# Altium PCB Railgun Control Board PCB Mk2.0.PcbDoc (part 1 of 2) (continued)
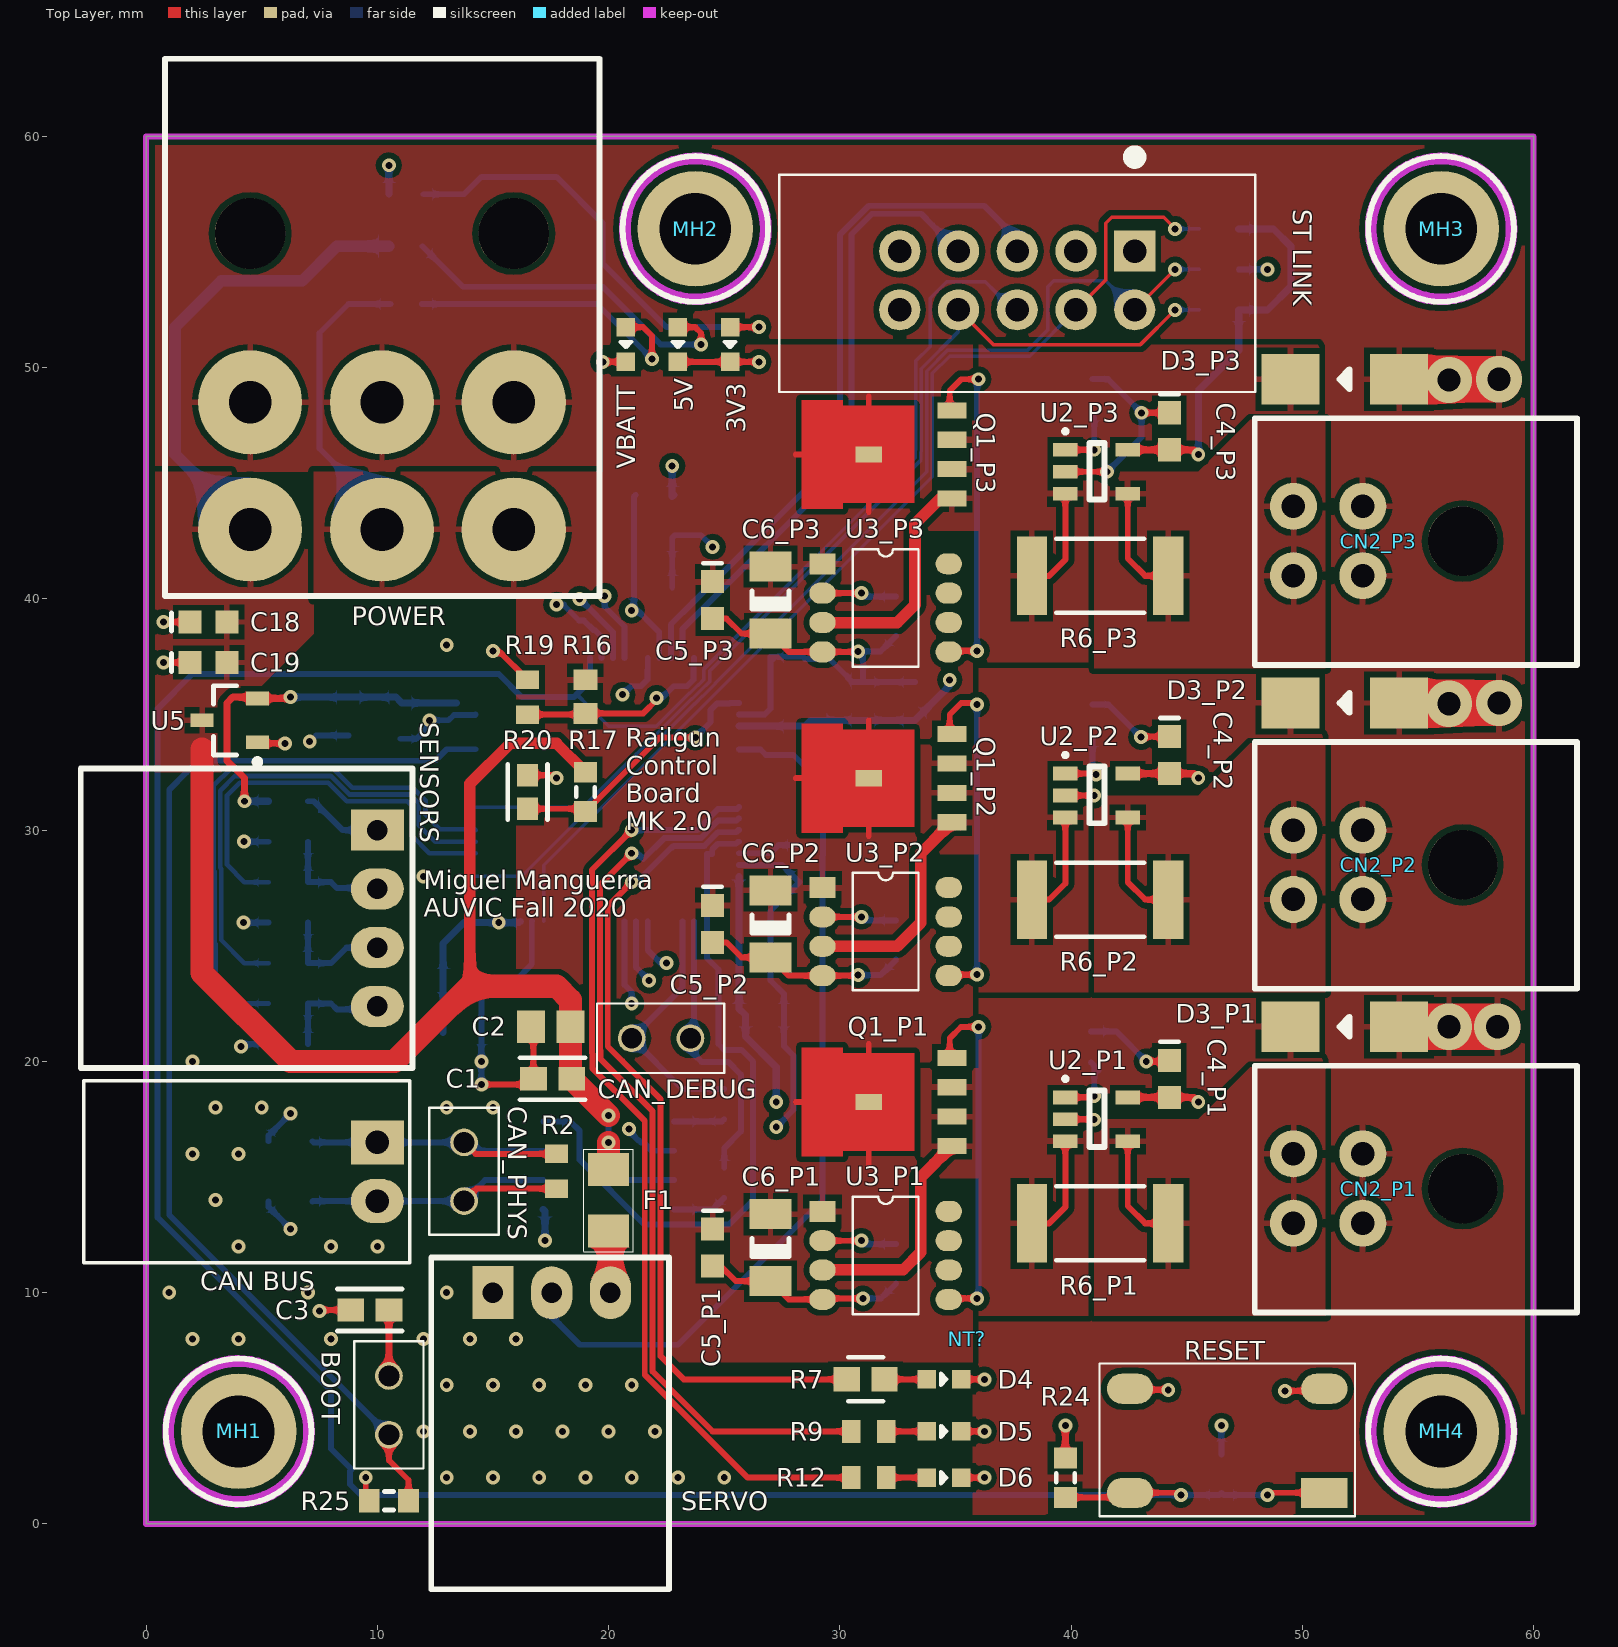
[diagram p0: Top Layer view]
## Components (designator, comment, footprint, x,y, rotation, side; value= is the part's Value field where it differs from the comment) (continued)
BOOT "1x2 Male Header" "2X1 Males Header" 10.5,6.397 r270 top (schematic designator JP3)
C1 "CL10B104JB8NNNC" FP-CL10-0_1-IPC_A 17.577,19.25 r180 top
C2 "CL21B105KBFNNNG" "0803 CAP" 17.5,21.5 r180 top
C3 "CL10B104JB8NNNC" FP-CL10-0_1-IPC_A 9.673,9.25 r180 top
C4_P1 "0.1uF, 50V, 10%, X7R, 1608" "CAPC1608N(0603\")" 44.25,19.247 r270 top (schematic designator C4)
C4_P2 "0.1uF, 50V, 10%, X7R, 1608" "CAPC1608N(0603\")" 44.25,33.247 r270 top (schematic designator C4)
C4_P3 "0.1uF, 50V, 10%, X7R, 1608" "CAPC1608N(0603\")" 44.25,47.247 r270 top (schematic designator C4)
C5_P1 "0.1uF, 50V, 10%, X7R, 1608" "CAPC1608N(0603\")" 24.5,11.947 r270 top (schematic designator C5)
C5_P2 "0.1uF, 50V, 10%, X7R, 1608" "CAPC1608N(0603\")" 24.5,25.947 r270 top (schematic designator C5)
C5_P3 "0.1uF, 50V, 10%, X7R, 1608" "CAPC1608N(0603\")" 24.5,39.947 r270 top (schematic designator C5)
C6_P1 "10uF 50V 1206 SMD, Ceramic" "CAPC3216N(1206\")" 27,11.947 r270 top value=10µF (schematic designator C6)
C6_P2 "10uF 50V 1206 SMD, Ceramic" "CAPC3216N(1206\")" 27,25.947 r270 top value=10µF (schematic designator C6)
C6_P3 "10uF 50V 1206 SMD, Ceramic" "CAPC3216N(1206\")" 27,39.947 r270 top value=10µF (schematic designator C6)
C7 "CL21B105KBFNNNG" "0803 CAP" 22,42.75 r0 bottom
C8 "CL10B104JB8NNNC" FP-CL10-0_1-IPC_A 21.923,40.5 r0 bottom
C9 "2.2uF, 50V, 0603 SMD, X5R, Ceramic" "CAPC1608N(0603\")" 28.25,28.55 r270 bottom value=2.2µF
C10 "CL10B104JB8NNNC" FP-CL10-0_1-IPC_A 13.673,23.5 r0 bottom
C11 "CL10B104JB8NNNC" FP-CL10-0_1-IPC_A 13.673,21.25 r0 bottom
C12 "CL10B104JB8NNNC" FP-CL10-0_1-IPC_A 26.75,22 r0 bottom
C13 "CL10B104JB8NNNC" FP-CL10-0_1-IPC_A 33.25,35.577 r90 bottom
C14 "CL10B104JB8NNNC" FP-CL10-0_1-IPC_A 31,35.577 r90 bottom
C15 "CL10B104JB8NNNC" FP-CL10-0_1-IPC_A 8.75,34.923 r270 bottom
C16 "CL31B106KBHNNNE" CAPC3216X180X50ML20T30 28.5,35.95 r90 bottom
C17 "CL10B104JB8NNNC" FP-CL10-0_1-IPC_A 46.5,2.173 r90 bottom
C18 "0.1uF, 50V, 10%, X7R, 1608" "CAPC1608N(0603\")" 2.7,39 r0 top
C19 "1uF 50V 0603 SMD, Ceramic" "CAPC1608N(0603\")" 2.7,37.25 r0 top value=1µF
C20 "1uF 50V 0603 SMD, Ceramic" "CAPC1608N(0603\")" 11,34.75 r90 bottom value=1µF
"CAN BUS" "1x2 Shrouded Right Angle" "2X1 Female Header" 10,16.5 r0 top (schematic designator CN1)
CAN_DEBUG "1x2 Male Header" "2X1 Males Header" 21,21 r0 top (schematic designator JP1)
CAN_PHYS "1x2 Male Header" "2X1 Males Header" 13.75,16.5 r270 top (schematic designator JP2)
CN2_P1 "Header, Female, 2x2, RIght Angle, Pitch: 0.118\"  (3.00mm), THT" "2x2 Pitch 118mil connector" 52.613,16 r270 top (schematic designator CN2)
CN2_P2 "Header, Female, 2x2, RIght Angle, Pitch: 0.118\"  (3.00mm), THT" "2x2 Pitch 118mil connector" 52.613,30 r270 top (schematic designator CN2)
CN2_P3 "Header, Female, 2x2, RIght Angle, Pitch: 0.118\"  (3.00mm), THT" "2x2 Pitch 118mil connector" 52.613,44 r270 top (schematic designator CN2)
D1 "PESD36VS2UT,215" SOT95P245X110-3N 6.25,17.75 r90 bottom
D2 "PESD36VS2UT,215" SOT95P245X110-3N 6.25,12.75 r270 bottom
D3_P1 "TSSA5U50E3GCT-ND" DO-214AC 51.833,21.5 r180 top (schematic designator D3)
D3_P2 "TSSA5U50E3GCT-ND" DO-214AC 51.833,35.5 r180 top (schematic designator D3)
D3_P3 "TSSA5U50E3GCT-ND" DO-214AC 51.833,49.5 r180 top (schematic designator D3)
D4 "LSQ976-NR-1" FP-LB_Q39E-MFG 34.5,6.25 r180 top
D5 "LBQ39E-N1OO-35-1" FP-LB_Q39E-MFG 34.5,4 r180 top
D6 "LT Q39G-Q1OO-25-1" FP-LB_Q39E-MFG 34.5,2 r180 top
F1 "SMD Fuse, 2A, 63V," "1206 SMD" 20,14 r90 top
FB1 "BLM18AG601SN1D" MURA-BLM18-F-H1-CHIP-2_V 22,44.5 r180 bottom
MH1 "Mount_Hole_3mm" Mount-Hole_3mm 4,4 r0 top locked
MH2 "Mount_Hole_3mm" Mount-Hole_3mm 23.75,56 r0 top locked
MH3 "Mount_Hole_3mm" Mount-Hole_3mm 56,56 r0 top locked
MH4 "Mount_Hole_3mm" Mount-Hole_3mm 56,4 r0 top locked
NT? "Net Tie, 20mil" NETTIE_20mil 35,8 r180 top net-tie
POWER "76825-0006" 76825-0006-Footprint-1 4.5,48.5 r0 top (schematic designator CN6)
Q1_P1 "MOSFET N-Channel, 40V, 100A, 272W" LFPAK-PowerSO8 34.85,16.342 r90 top (schematic designator Q1)
Q1_P2 "MOSFET N-Channel, 40V, 100A, 272W" LFPAK-PowerSO8 34.85,30.342 r90 top (schematic designator Q1)
Q1_P3 "MOSFET N-Channel, 40V, 100A, 272W" LFPAK-PowerSO8 34.85,44.342 r90 top (schematic designator Q1)
R1 "RC0603FR-0733RL" RESC1608X55X25LL10T15 25,18.15 r270 bottom
R2 "RC0603FR-07120RL" RESC1608X55X25ML10T15 17.75,15.25 r270 top
R3 "RC0603FR-0733RL" RESC1608X55X25LL10T15 25,14.75 r270 bottom
R4_P1 "32.4kR, 1%, 0603, 1/10W" RESC1609X50X30ML10T20 40.866,20.625 r270 bottom (schematic designator R4)
R4_P2 "32.4kR, 1%, 0603, 1/10W" RESC1609X50X30ML10T20 40.933,34.753 r270 bottom (schematic designator R4)
R4_P3 "32.4kR, 1%, 0603, 1/10W" RESC1609X50X30ML10T20 40.933,48.828 r270 bottom (schematic designator R4)
R5_P1 "10kR, 1%, 1/10W, 0603 SMD" "RESC1608N(0603\")" 32.433,11.25 r270 bottom value=10k (schematic designator R5)
R5_P2 "10kR, 1%, 1/10W, 0603 SMD" "RESC1608N(0603\")" 32.433,25.25 r270 bottom value=10k (schematic designator R5)
R5_P3 "10kR, 1%, 1/10W, 0603 SMD" "RESC1608N(0603\")" 32.433,39.25 r270 bottom value=10k (schematic designator R5)
R6_P1 "0R02, 1%, 2W, 2512 SMD" "RESC6332N(2512\")" 41.25,12.997 r180 top value=0.02 (schematic designator R6)
R6_P2 "0R02, 1%, 2W, 2512 SMD" "RESC6332N(2512\")" 41.25,26.997 r180 top value=0.02 (schematic designator R6)
R6_P3 "0R02, 1%, 2W, 2512 SMD" "RESC6332N(2512\")" 41.25,40.997 r180 top value=0.02 (schematic designator R6)
R7 "CRCW0603330RFKEA" FP-CRCW0603-e3-IPC_A 31.115,6.25 r0 top
R8 "1kR, 1%, 1/10W , 0603, SMD" "RESC1608N(0603\")" 6.15,31.25 r0 bottom value=1k
R9 "RC0603FR-07110RL" RESC1608X55X25ML10T15 31.25,4 r0 top
R10 "10kR, 1%, 1/10W, 0603 SMD" "RESC1608N(0603\")" 6.15,29.5 r180 bottom value=10k
R11 "10kR, 1%, 1/10W, 0603 SMD" "RESC1608N(0603\")" 6.15,26 r180 bottom value=10k
R12 "RC0603FR-07110RL" RESC1608X55X25ML10T15 31.25,2 r0 top
R13 "10kR, 1%, 1/10W, 0603 SMD" "RESC1608N(0603\")" 6.15,20.75 r180 bottom value=10k
R14 "10kR, 1%, 1/10W, 0603 SMD" "RESC1608N(0603\")" 46.4,54.25 r180 bottom value=10k
R15 "10kR, 1%, 1/10W, 0603 SMD" "RESC1608N(0603\")" 46.4,56 r180 bottom value=10k
R16 "ERJ-3EKF8252V" RESC1608X55X30ML15T15 19,35.775 r270 top
R17 "16kR, 1%, 1/10W, 0603 SMD" "RESC1608N(0603\")" 19,31.65 r90 top value=16k
R18 "10kR, 1%, 1/10W, 0603 SMD" "RESC1608N(0603\")" 46.4,52.5 r180 bottom value=10k
R19 "RC0603FR-0710KL" RESC1608X55X25ML10T15 16.5,35.75 r90 top
R20 "27kR, 1%, 1/10W, 0603" FP-CRGCQ0603-IPC_B 16.5,31.65 r270 top
R21 "1kR, 1%, 1/10W , 0603, SMD" "RESC1608N(0603\")" 6.15,27.75 r0 bottom value=1k
R22 "1kR, 1%, 1/10W , 0603, SMD" "RESC1608N(0603\")" 6.15,24.25 r0 bottom value=1k
R23 "1kR, 1%, 1/10W , 0603, SMD" "RESC1608N(0603\")" 6.15,22.5 r0 bottom value=1k
R24 "10kR, 1%, 1/10W, 0603 SMD" "RESC1608N(0603\")" 39.75,1.996 r270 top value=10k
R25 "10kR, 1%, 1/10W, 0603 SMD" "RESC1608N(0603\")" 10.5,1 r180 top value=10k
R26 "CRCW06036K34FKEA" RESC1609X50X30ML10T20 11.25,52.75 r0 bottom
R27 "ERJ-3EKF5360V" RESC1608X55X30ML15T15 11.225,55.25 r0 bottom
R28 "RC0603FR-07110RL" RESC1608X55X25ML10T15 11.25,57.5 r0 bottom
RESET "PTS645SL43SMTR92LFS" 4-SPST-NO 50.75,1.346 r180 top (schematic designator SW1)
SENSORS "Header, Male, 1x4, RA, Pitch 0.1\" (2.54mm)" "HEADER, MALE, SHROUDED, 4x1, PITCH 0.1\" (2.54mm), RA" 10,30 r0 top (schematic designator CN5)
SERVO "Header, Male, 1x3, RA, Pitch (2.54mm) 0.1\"" 5-103635-2-Footprint-1 15,10 r90 top (schematic designator CN4)
"ST LINK" "ST Debug Header 10-pin THT" "10-pin shrouded header THT" 42.75,55.04 r180 top locked (schematic designator CN3)
U1 "CAN Transceiver" 8-SOIC 20,15.5 r180 bottom
U2_P1 "INA168, Current Sensor, High-Side, Analog" SOT23-5 41.1,17.497 r270 top (schematic designator U2)
U2_P2 "INA168, Current Sensor, High-Side, Analog" SOT23-5 41.1,31.497 r270 top (schematic designator U2)
U2_P3 "INA168, Current Sensor, High-Side, Analog" SOT23-5 41.1,45.497 r270 top (schematic designator U2)
U3_P1 "MIC5014YM-TR" "SOC 8" 29.25,13.517 r0 top (schematic designator U3)
U3_P2 "MIC5014YM-TR" "SOC 8" 29.25,27.517 r0 top (schematic designator U3)
U3_P3 "MIC5014YM-TR" "SOC 8" 29.25,41.517 r0 top (schematic designator U3)
U4 "STM32F413RGT6" FP-LQFP64-5W-IPC_A 19.941,31.75 r270 bottom
U5 "3.3V 250mA Linear Reg LDO" SOT95P245X110-3N 3.616,34.75 r180 top
VBATT "LT Q39G-Q1OO-25-1" FP-LB_Q39E-MFG 20.75,51 r90 top (schematic designator D6)

## Footprints (in the part's own frame and the unit in brackets; to place one, negate y for a bottom-side part, rotate by r counter-clockwise, add the part's x,y. Pads: shape width x height; smd on the part's side, far side on the other; paste and mask are expansions set on the pad)
"2X1 Female Header" [mil]
  rect 90x75 hole 40: 1(0,0)
  oval 90x75 hole 40: 2(0,-100)
  silkscreen extent -500,-205 55,105, body extent -495,-200 40,100, height 273
"2X1 Males Header" [mm]
  round 1.2 hole 0.9: 1(0,0) 2(2.54,0)
  silkscreen extent -1.5,-1.5 4,1.5, body extent -1.27,-1.24 3.81,1.25, height 8.54
"2x2 Pitch 118mil connector" [mil]
  round 80 hole 40: 1(0,0) 2(117.99,0) 3(0,-118) 4(118,-118)
  round 118.11 hole 118.11: None(59.06,170.08)
  silkscreen extent -150,-184 270,365, body extent -141,-129 259,353, height 348
4-SPST-NO [mm]
  rect 2x1.3 smd: 1(-0.2,0)
  oval 2x1.3 smd: 2(8.2,0) 3(-0.2,-4.5) 4(8.2,-4.5)
  silkscreen extent -1.52,-5.59 9.53,1.02, body extent -0.56,-5.29 8.44,0.71, height 5
5-103635-2-Footprint-1 [mil]
  rect 90x70 hole 35: 1(0,0)
  oval 90x70 hole 35: 2(0,-100) 3(0,-200)
  silkscreen extent -505,-300 60,105, body extent -495,-295 40,100, height 280
8-SOIC [mm] "SOIC, 8-Leads, Body 5x4mm, Pitch 1.27mm, IPC Low Density"
  rrect15% 1.65x0.65 smd: 1(-2.825,1.905) 2(-2.825,0.635) 3(-2.825,-0.635) 4(-2.825,-1.905) 5(2.825,-1.905) 6(2.825,-0.635) 7(2.825,0.635) 8(2.825,1.905)
  silkscreen extent -2.95,-2.5 1.6,2.9, body extent -3,-2.45 3,2.45, height 1.63
"10-pin shrouded header THT" [mil]
  rect 70x70 hole 40: 1(0,0)
  round 70 hole 40: 2(100,0) 3(200,0) 4(300,0) 5(400,0) 6(0,100) 7(100,100) 8(200,100) 9(300,100) 10(400,100)
  silkscreen extent -205,-170 605,240, body extent -198,-124 598,234, height 358
"0803 CAP" [mm] "Chip Capacitor, 2-Leads, Body 2.00x1.25mm, IPC Medium Density"
  rect 1.2x1.4 smd: 1(-0.85,0) 2(0.85,0)
  body extent -1.05,-0.67 1.05,0.67, height 1.25
"1206 SMD" [mm]
  rect 1.42x1.78 smd: 1(-1.33,0) 2(1.33,0)
  silkscreen extent -2.22,-1.07 2.21,1.07, body extent -1.6,-0.8 1.6,0.8, height 0.6
76825-0006-Footprint-1 [mm]
  round 4.5 hole 1.85: 1(0,0) 2(5.7,0) 3(11.4,0) 4(0,-5.5) 5(5.7,-5.5) 6(11.4,-5.5)
  round 3.05 hole 3.05: None1(0,7.3) None2(11.4,7.3)
  silkscreen extent -3.68,-8.38 15.11,14.86, body extent -3.16,-6.03 14.61,15.93, height 14.54
"CAPC1608N(0603\")" [mm] "Chip Capacitor, Body 1.6x0.8mm (0603\"), IPC Medium Density"
  rect 1x1 smd: 1(-0.8,0) 2(0.8,0)
  silkscreen extent -1.6,-0.4 -1.6,0.4, body extent -0.8,-0.4 0.8,0.4, height 0.9
"CAPC3216N(1206\")" [mm] "Chip Capacitor, Body 3.2x1.6mm (1206\"), IPC Medium Density"
  rect 1.3x1.8 smd: 1(-1.45,0) 2(1.45,0)
  silkscreen extent -0.4,-0.8 0.4,0.8, body extent -1.6,-0.8 1.6,0.8, height 1
CAPC3216X180X50ML20T30 [mm] "Chip Capacitor, 2-Leads, Body 3.4x1.8mm, IPC Low Density"
  rect 1.6x1.9 smd: 1(-1.45,0) 2(1.45,0)
  silkscreen extent -0.25,-0.85 0.25,0.85, body extent -1.7,-0.9 1.7,0.9, height 1.8
DO-214AC [mm]
  rect 2.5x2.2 smd: 1(-2.35,0) 2(2.35,0)
  silkscreen extent -0.2,-0.43 0.23,0.43, body extent -2.74,-1.4 2.74,1.4, height 2.26
FP-CL10-0_1-IPC_A [mm]
  rect 1.158x1.012 smd paste+0 mask+0: 1(-0.827,0) 2(0.827,0)
  silkscreen extent -1.41,-0.91 1.41,0.91, body extent -1.91,-1.01 1.91,1.01, height 0.25
FP-CRCW0603-e3-IPC_A [mm]
  rect 1.135x1.062 smd paste+0 mask+0: 1(-0.815,0) 2(0.815,0)
  silkscreen extent -0.75,-0.95 0.75,0.95, body extent -1.88,-1.03 1.88,1.03, height 0.25
FP-CRGCQ0603-IPC_B [mm]
  rect 0.958x0.912 smd paste+0 mask+0: 1(-0.727,0) 2(0.727,0)
  silkscreen extent -1.21,-0.86 1.21,0.86, body extent -1.46,-0.71 1.46,0.71, height 0.25
FP-LB_Q39E-MFG [mm]
  rect 0.8x0.8 smd paste+0 mask+0: 1(-0.75,0) 2(0.75,0)
  silkscreen extent -0.13,-0.25 0.13,0.25, body extent -1.25,-0.55 1.25,0.55, height 0.25
FP-LQFP64-5W-IPC_A [mm]
  rect 1.788x0.312 smd paste+0 mask+0: 1(-5.691,3.75)
  rrect100% 1.788x0.312 smd paste+0 mask+0: 2(-5.691,3.25) 3(-5.691,2.75) 4(-5.691,2.25) 5(-5.691,1.75) 6(-5.691,1.25) 7(-5.691,0.75) 8(-5.691,0.25) 9(-5.691,-0.25) 10(-5.691,-0.75) 11(-5.691,-1.25) 12(-5.691,-1.75) 13(-5.691,-2.25) 14(-5.691,-2.75) 15(-5.691,-3.25) 16(-5.691,-3.75) 33(5.691,-3.75) 34(5.691,-3.25) 35(5.691,-2.75) 36(5.691,-2.25) 37(5.691,-1.75) 38(5.691,-1.25) 39(5.691,-0.75) 40(5.691,-0.25) 41(5.691,0.25) 42(5.691,0.75) 43(5.691,1.25) 44(5.691,1.75) 45(5.691,2.25) 46(5.691,2.75) 47(5.691,3.25) 48(5.691,3.75)
  rrect100% 0.312x1.788 smd paste+0 mask+0: 17(-3.75,-5.691) 18(-3.25,-5.691) 19(-2.75,-5.691) 20(-2.25,-5.691) 21(-1.75,-5.691) 22(-1.25,-5.691) 23(-0.75,-5.691) 24(-0.25,-5.691) 25(0.25,-5.691) 26(0.75,-5.691) 27(1.25,-5.691) 28(1.75,-5.691) 29(2.25,-5.691) 30(2.75,-5.691) 31(3.25,-5.691) 32(3.75,-5.691) 49(3.75,5.691) 50(3.25,5.691) 51(2.75,5.691) 52(2.25,5.691) 53(1.75,5.691) 54(1.25,5.691) 55(0.75,5.691) 56(0.25,5.691) 57(-0.25,5.691) 58(-0.75,5.691) 59(-1.25,5.691) 60(-1.75,5.691) 61(-2.25,5.691) 62(-2.75,5.691) 63(-3.25,5.691) 64(-3.75,5.691)
  silkscreen extent -6.07,-4.25 4.25,4.68, body extent -6,-6 6,6, height 1.6
"HEADER, MALE, SHROUDED, 4x1, PITCH 0.1\" (2.54mm), RA" [mil]
  rect 90x70 hole 35: 1(0,0)
  oval 90x70 hole 35: 2(0,-100) 3(0,-200) 4(0,-300)
  silkscreen extent -505,-405 60,105, body extent -495,-397 40,97, height 270
LFPAK-PowerSO8 [mm] "LFPAK-PowerSO8"
  rect 0.7x1.25 smd: 1(0,0) 2(1.27,0) 3(2.54,0) 4(3.81,0)
  rect 0.7x1.15 smd: 5(1.905,3.6)
  Top Layer region: -0.195,1.625 4.005,1.625 4.005,4.725 4.255,4.725 4.255,6.5 3.74,6.5 3.1,6.5 1.9,6.5 -0.445,6.5 -0.445,4.725 -0.195,4.725
  body extent -0.59,-0.4 4.41,6.2, height 1.09
Mount-Hole_3mm [mm]
  round 5 hole 3.1: 1(0,0)
  Keep-Out Layer circle w0.508: c0,0 r3.048
  silkscreen extent -3.15,-3.15 3.15,3.15, body extent -2.25,-2.6 2.25,2.6, height 4.19
MURA-BLM18-F-H1-CHIP-2_V [mm] "Chip Ferrite Bead, 2-Leads, Body 1.6x0.8mm, Height 0.95mm, Flow"
  rect 0.95x0.7 smd: 1(-0.825,0) 2(0.825,0)
  body extent -0.8,-0.4 0.8,0.4, height 0.95
NETTIE_20mil [mil]
  rect 20x20 on Mid1: 1(-39.37,0) 2(0,0)
  Layer 1 region: -49.3,-10.25 10.01,-10.25 10.01,9.95 -49.3,9.95
"RESC1608N(0603\")" [mm] "Chip Resistor, Body 1.6x0.8mm (0603\"), IPC Medium Density"
  rect 0.9x1 smd: 1(-0.85,0) 2(0.85,0)
  silkscreen extent -0.2,-0.4 0.2,0.4, body extent -0.77,-0.42 0.78,0.43, height 0.44
RESC1608X55X25LL10T15 [mm] "Chip Resistor, 2-Leads, Body 1.60x0.80mm, IPC High Density"
  rect 0.6x0.8 smd: 1(-0.65,0) 2(0.65,0)
  body extent -0.85,-0.45 0.85,0.45, height 0.55
RESC1608X55X25ML10T15 [mm] "Chip Resistor, 2-Leads, Body 1.70x0.90mm, IPC Low Density"
  rect 0.8x1 smd: 1(-0.75,0) 2(0.75,0)
  body extent -0.85,-0.45 0.85,0.45, height 0.55
RESC1608X55X30ML15T15 [mm] "Chip Resistor, 2-Leads, Body 1.60x0.80mm, IPC Low Density"
  rect 0.9x1.05 smd: 1(-0.725,0) 2(0.725,0)
  body extent -0.88,-0.48 0.87,0.48, height 0.55
RESC1609X50X30ML10T20 [mm] "Chip Resistor, 2-Leads, Body 1.55x0.85mm, IPC Low Density"
  rect 0.9x1.05 smd: 1(-0.675,0) 2(0.675,0)
  body extent -0.82,-0.48 0.82,0.48, height 0.5
"RESC6332N(2512\")" [mm] "Chip Resistor, Body 6.3x3.2mm (2512\"), IPC Medium Density"
  rect 1.3x3.4 smd: 1(-2.95,0) 2(2.95,0)
  silkscreen extent -1.9,-1.6 1.9,1.6, body extent -3.2,-1.6 3.2,1.6, height 0.6
"SOC 8" [mm]
  rect 1.14x0.91 smd: 1(0,0)
  oval 1.14x0.91 smd: 2(0,-1.27) 3(0,-2.54) 4(0,-3.81) 5(5.46,-3.81) 6(5.46,-2.54) 7(5.46,-1.27) 8(5.46,0)
  silkscreen extent 1.3,-4.44 4.16,0.64, body extent -0.33,-4.32 5.67,0.58, height 1.75
SOT23-5 [mm] "SOT23-5 SMT"
  rect 0.6x1.05 smd: 1(-0.95,-1.35) 2(0,-1.35) 3(0.95,-1.35) 4(0.95,1.35) 5(-0.95,1.35)
  silkscreen extent -1.8,-1.4 1.2,0.35, body extent -1.5,-1.25 1.5,1.25, height 1.1
SOT95P245X110-3N [mm] "SOT23, 3-Leads, Body 2.90x2.45mm, Pitch 0.95mm, IPC Medium Density"
  rect 1x0.6 smd: 1(-1.2,0.95) 2(-1.2,-0.95) 3(1.2,0)
  silkscreen extent -1.32,-1.5 0.7,1.93, body extent -1.3,-1.5 1.3,1.5, height 1.1

## Part data
3V3 5V D6 VBATT: library part CMP-00064-3, "LED GREEN DIFFUSED 0603 SMD", Case/Package=SMD/SMT, Color=Green, Forward Current=15mA, Forward Voltage=2.85V, Max Operating Temperature=85°C, Min Operating Temperature=-40°C, Reverse Voltage=5V, Test Current=5mA, Depth=0.9mm, Dominant Wavelength=530nm, Length=1.7mm, Lens Style=Diffused,Colorless,Rectangular, Luminous Flux=0.55lm, Luminous Intensity=280mcd, Mount="Surface Mount", Number of Elements=1, Number of LEDs=1, Number of Pins=2, Packaging="Tape and Reel", Radiation Hardening=No
BOOT CAN_DEBUG CAN_PHYS: library part CMP-004-0001-1, Component Type=Standard, Design Item ID="1x2 Male Header", Made By="Andy Bates", Pin Count=2, Source=AUVic_Schematic_Library_Connectors.SchLib
C1 C3 C8 C10 C11 C12 C13 C14 C15 C17: library part CMP-00000-4, "CAP CER 0.1UF 50V X7R 0603", Capacitance=0.1uF, Case Code (Imperial)=0603, Case Code (Metric)=1608, Dielectric=X7R, Max Operating Temperature=125°C, Min Operating Temperature=-55°C, Package Quantity=1, Tolerance=5%, Voltage=50V, Case/Package=0603, Contact Plating=Tin, Depth=0.8mm, Height=0.8mm, Length=1.6mm, Material=Ceramic, Mount="Surface Mount", Packaging="Tape and Reel", Radiation Hardening=No, Thickness=0.035inch, Voltage Rating=50V, Width=0.031inch
C2 C7: library part CMP-00005-3, "SAMSUNG ELECTRO-MECHANICS - CL21B105KBFNNNG - MLCC CAPACITORS", Capacitance=1uF, Case Code (Imperial)=0805, Case Code (Metric)=2012, Dielectric=X7R, Max Operating Temperature=125°C, Min Operating Temperature=-55°C, Package Quantity=3000, Tolerance=10%, Voltage=50V, Case/Package=0805, Contact Plating=Tin, Depth=1.25mm, Length=2mm, Material=Ceramic, Mount="Surface Mount", Packaging="Tape and Reel", Termination=Wraparound, Thickness=0.053inch, Voltage Rating=50V, Width=0.049inch
C4_P1 C4_P2 C4_P3 C5_P1 C5_P2 C5_P3 C18: library part CMP-006-0008-1, "CAP CER 0.1UF 50V 10% X7R 1608 (0603)", Capacitance=0.1µF, Manufacturer="Samsung Electro-Mechanics America, Inc", Manufacturer Part Number=CL10B104KB8SFNC, Operating Temperature="-55°C ~ 125°C", Package / Case="0603 (1608 Metric)", Ratings=-, Temperature Coefficient=X7R, Tolerance=±10%, Voltage - Rated=50V, Applications="Boardflex Sensitive", Category=Capacitors, Component Type=Standard, ComponentLink1Description=http://www.samsungsem.com/servlet/FileDownload?type=spec&file=CL10B104KB8SFNC.pdf, ComponentLink1URL=http://www.samsungsem.com/servlet/FileDownload?type=spec&file=CL10B104KB8SFNC.pdf, Design Item ID="0.1uF, 50V, 10%, X7R, 1608", Features="Soft Termination", Height - Seated (Max)=-, Lead Spacing=-, Lead Style=-, Mounting Type="Surface Mount, MLCC", Packaging="Cut Tape (CT)", Pin Count=2, Pricing 1="1=0.12, 10=0.033, 25=0.0232, 100=0.0152, 500=0.01064, 1000=0.00829 (CAD)", RoHS="RoHS Compliant", Size / Dimension="0.063\" L x 0.031\" W (1.60mm x 0.80mm)", Source=AUVic_Schematic_Library_Capacitors.SchLib, Stock 1=743572, Thickness (Max)="0.035\" (0.90mm)"
C6_P1 C6_P2 C6_P3: library part CMP-006-0018-1, "Capacitor, Ceramic, 50V, +/- 10%, 1206 SMD, X5R", Component Type=Standard, Design Item ID="10uF 50V 1206 SMD, Ceramic", PackageDescription="Chip Capacitor", Pin Count=2, Published=14-06-01, Publisher=AUVic, Source=AUVic_Schematic_Library_Capacitors.SchLib
C9: library part CMP-006-0030-1, "Capacitor, Ceramic, 50V, 10%, 0603 SMD, X5R", Component Type=Standard, Design Item ID="2.2uF, 50V, 0603 SMD, X5R, Ceramic", PackageDescription="Chip Capacitor", Pin Count=2, Publisher=AUVic, Source=AUVic_Schematic_Library_Capacitors.SchLib
C16: library part CMP-00004-1, "Cap Ceramic 10uF 50V X7R 10% Pad SMD 1206 125°C T/R", Capacitance=10uF, Case Code (Imperial)=1206, Case Code (Metric)=3216, Dielectric=X7R, Max Operating Temperature=125°C, Min Operating Temperature=-55°C, Tolerance=10%, Voltage Rating=50V, Case/Package=1206, Lead Free="Lead Free", Length=0.126inch, Mount="Surface Mount", Packaging="Tape and Reel", Thickness=0.071inch, Voltage Rating (DC)=50V, Width=0.063inch
C19 C20: library part CMP-006-0028-1, "Capacitor, Ceramic, 50V, +/- 10%, 0603 SMD, X5R", Component Type=Standard, Created By="Lyden Smith", Date Created=2017-10-26, Design Item ID="1uF 50V 0603 SMD, Ceramic", PackageDescription="Chip Capacitor", Pin Count=2, Source=AUVic_Schematic_Library_Capacitors.SchLib
"CAN BUS": library part CMP-00010-3, "02 MTE HDR SRRA LATCH", Color=Black, Contact Current Rating=3A, Contact Resistance=15mR, Flammability Rating="UL94 V-0", Insulation Resistance=5GR, Max Operating Temperature=105°C, Min Operating Temperature=-65°C, Package Quantity=68, Approvals=CSA, Backwall/Post Interruptions="No (Without)", Connector Type=Plug,Header,Pin, Contact Gender=Male, Contact Material=Brass, Contact Mating Length=0.23inch, Contact Plating=Gold,Tin,Matte, Contact Retention="Yes (With)", Contact Shape=Square, Current Rating=3A, Depth=13.59mm, ELV=Compliant, Gender=Male, Height=13.59mm, Housing Color=Black, Housing Material=Thermoplastic, Lead Free="Lead Free", Length=7.62mm, Mating Alignment="Yes (With)", Mating Retention="Yes (With)", Mount="Through Hole", Number of Contacts=2, Number of Positions=2, Number of Rows=1, Orientation="Right Angle", Packaging=Rail/Tube, PCB Mount Alignment="No (Without)", PCB Mount Retention=Without, PCB Mounting Orientation="Right Angle", PCB Thickness=0.062inch, Pitch=2.54mm, REACH SVHC=Unknown, Row Spacing=0.1inch, Strain Relief="No (Without)", Tail Length=3.3mm, Termination=Crimp
CN2_P1 CN2_P2 CN2_P3: library part CMP-005-0021-4, "Connector Header Through Hole, Right Angle 4 position 0.118\" (3.00mm)", Component Type=Standard, Created By="Poorna Chander Kalidas", Date Published=2020-05-16, Design Item ID="Header, Female, 2x2, RIght Angle, Pitch: 0.118\"  (3.00mm), THT", Pin Count=4, Publisher=AUVic, Source=AUVic_Schematic_Library_Connectors.SchLib
D1 D2: library part CMP-058-0000-2, "TVS DIODE 36V 60V SOT23", Component Type=Standard, Created By="Miguel Manguerra", Date Created=2020-05-18, Design Item ID=PESD36VS2UT,215, Pin Count=3, Source=AUVic_Schematic_Library_Diodes.SchLib
D3_P1 D3_P2 D3_P3: library part CMP-057-0021-1, "Diode Schottky 50V 5A Surface Mount DO-214AC (SMA)", Component Type=Standard, Created By="Poorna Chander Kalidas", Date Created=2018-06-01, Design Item ID=TSSA5U50E3GCT-ND, Pin Count=2, Source=AUVic_Schematic_Library_Diodes.SchLib
D4: library part CMP-00066-2, "LED Red 645nm 2-Pin Chip 0603(1608Metric) T/R", Case Code (Imperial)=0603, Case Code (Metric)=1608, Color=Red, Forward Current=25mA, Forward Voltage=2.5V, Lens Color=White, Max Operating Temperature=85°C, Min Operating Temperature=-30°C, Package Quantity=1, Power Dissipation=65mW, Reverse Voltage=12V, Test Current=20mA, Case/Package=0603, Depth=0.9mm, Dominant Wavelength=633nm, Height=0.8mm, Illumination Color=Red, Length=1.7mm, Lens Size=0.8mm, Lens Style=Diffused,Flat,Colorless,Rectangular, Lens Transparency=Diffused, Luminous Flux=0.33lm, Luminous Intensity=180mcd, Mount="Surface Mount", Number of Elements=1, Number of LEDs=1, Number of Pins=2, Packaging="Tape and Reel", Radiation Hardening=No, Viewing Angle=160°, Width=0.8mm
D5: library part CMP-00063-3, "LED BLUE DIFFUSED 0603 SMD", Case Code (Imperial)=0603, Case Code (Metric)=1608, Color=Blue, Forward Voltage=2.85V, Lens Color=White, Test Current=5mA, Case/Package=0603, Dominant Wavelength=470nm, Height=0.4mm, Length=1.6mm, Lens Size=0.8mm, Lens Style=Flat,Diffused,Colorless,Rectangular, Lens Transparency=Diffused, Luminous Flux=0.13lm, Luminous Intensity=42mcd, Mount="Surface Mount", Number of LEDs=1, Number of Pins=2, Packaging="Tape and Reel", Radiation Hardening=No, Viewing Angle=130°, Width=0.8mm
F1: library part CMP-027-0004-1, Current=2A, Component Type=Standard, ComponentLink1Description=Digi-Key, ComponentLink1URL=https://www.digikey.ca/product-detail/en/bel-fuse-inc/C1F-2/507-1881-1-ND/4968159, Created By="Poorna Chander Kalidas", Date Created=2018-06-07, Design Item ID="SMD Fuse, 2A, 63V,", Pin Count=2, Source=AUVic_Integrated_Library_Fuses.SchLib, Type=SMD
FB1: library part CMP-00016-1, "MURATA - BLM18AG601SN1D - Feritový Korálek, 0603 / 1608, 600 ohm, 500 mA, Série BLM18A, 0.38 ohm, ± 25%", Case Code (Imperial)=0603, Case Code (Metric)=1608, Current Rating=500mA, DC Resistance (DCR)=380mR, Frequency=100MHz, Max Operating Temperature=125°C, Min Operating Temperature=-55°C, Package Quantity=1, Tolerance=25%, Case/Package=0603, Core Material=Ferrite, DC Current=500mA, Depth=0.8mm, Height=0.8mm, Impedance=600R, Lead Free="Lead Free", Length=1.6mm, Material=Steel,Ferrite, Max Current Rating=500mA, Max DC Current=500mA, Military Standard=Not, Number of Circuits=1, Number of Lines=1, Number of Pins=2, Packaging="Tape and Reel", Radiation Hardening=No, REACH SVHC="No SVHC", Shielding=Unshielded, Termination=SMD/SMT, Test Frequency=100MHz, Weight=7.1E-05oz, Width=0.8mm
MH1 MH2 MH3 MH4: library part CMP-004-0010-4, "Mounting hold for M3 hex standoff", Component Type=Standard, Design Item ID=Mount_Hole_3mm, Pin Count=1, Source=AUVic_Schematic_Library_Connectors.SchLib
NT?: library part CMP-053-0006-1, "Net Tie, 20mil by 20mil", Component Type="Net Tie", Created By="Ashwin Sira", Date Created=2016-06-17, Design Item ID="Net Tie, 20mil", Pin Count=2, Publisher=AUVic, Size="0.254mm x 0.508mm", Source=AUVic_Integrated_Library_Virtual_Components.SchLib
POWER: library part CMP-00049-2, "CONNECTOR, HEADER, 6POS, 2ROW, 5.7MM; Product Range:Mega-Fit 76825 Series; Contact Termination Type:Through Hole; Gender:Header; No. of Contacts:6; Pitch Spacing:5.7mm; Contact Plating:Tin Plated Contacts; Contact Material:Copper", Color=Black, Contact Material=Copper, Contact Plating=Tin, Gender=Male, Mount="Through Hole", Number of Circuits=6, Number of Contacts=6, Number of Pins=6, Number of Rows=2, Orientation="Right Angle", Pitch=5.7mm, REACH SVHC=Unknown, Termination="Through Hole"
Q1_P1 Q1_P2 Q1_P3: library part CMP-052-0019-1, "MOSFET N-Channel, 40V, 100A, 272W, Enh-Mode", Component Type=Standard, Created By="Ashwin Sira", Design Item ID="MOSFET N-Channel, 40V, 100A, 272W", Latest_Revision_By="Ashwin Sira", Latest_Revision_Date=2016_04_26, Latest_Revision_Note="Attached footprint", MFG="NXP Semiconductors", MFG#=PSMN1R8-40YLC,115, Pin Count=5, Publisher=AUVic, Reviewed_By="Ashwin Sira", Reviewed_Date=2016_04_26, Source=AUVic_Schematic_Library_Transistors.SchLib
R1 R3: library part CMP-00060-1, "Res Thick Film 0603 33 Ohm 1% 1/10W +/-100ppm/ßC Molded SMD Paper T/R", Case Code (Imperial)=0603, Case Code (Metric)=1608, Max Operating Temperature=155°C, Max Power Dissipation=100mW, Min Operating Temperature=-55°C, Package Quantity=1, Resistance=33R, Temperature Coefficient=100ppm/°C, Tolerance=1%, Voltage Rating=75V, Voltage Rating (DC)=50V, Case/Package=0603, Composition="Thick Film", Depth=0.8mm, Features="Moisture Resistant", Height=0.45mm, Lead Free="Lead Free", Lead Pitch=0.3mm, Length=1.6mm, Military Standard=Not, Number of Pins=2, Number of Terminations=2, Packaging="Tape and Reel", Power Rating=100mW, REACH SVHC="No SVHC", Termination=SMD/SMT, Weight=7.1E-05oz, Width=0.8mm
R2: library part CMP-00061-1, "Res Thick Film 0603 120 Ohm 1% 0.1W(1/10W) ±100ppm/C Epoxy SMD T/R", Case Code (Imperial)=0603, Case Code (Metric)=1608, Max Operating Temperature=155°C, Max Power Dissipation=100mW, Min Operating Temperature=-55°C, Package Quantity=1, Resistance=120R, Temperature Coefficient=100ppm/°C, Tolerance=1%, Voltage Rating=50V, Case/Package=0603, Composition="Thick Film", Depth=0.8mm, Features="Moisture Resistant", Height=0.022inch, Lead Free="Lead Free", Length=1.6mm, Military Standard=Not, Number of Pins=2, Number of Terminations=2, Packaging="Tape and Reel", Power Rating=100mW, REACH SVHC="No SVHC", Termination=SMD/SMT, Voltage Rating (DC)=50V, Width=0.031inch
R4_P1 R4_P2 R4_P3: library part CMP-00121-1, "VISHAY         CRCW060332K4FKEA.             SMD Chip Resistor, Thick Film, 32.4 kohm, 75 V, 0603 [1608 Metric], 100 mW,  1%, CRCW Series", Case Code (Imperial)=0603, Case Code (Metric)=1608, Max Operating Temperature=155°C, Max Power Dissipation=100mW, Min Operating Temperature=-55°C, Package Quantity=10, Resistance=32.4kR, Resistor Type="Thick Film", Temperature Coefficient=100ppm/°C, Tolerance=1%, Voltage Rating=75V, Case/Package=0603, Contact Plating=Tin, Depth=0.85mm, Features="Automotive AEC-Q200", Height=0.45mm, Lead Free="Lead Free", Length=1.55mm, Military Standard=Not, Mount="Surface Mount", Number of Pins=2, Number of Terminations=2, Packaging="Tape and Reel", Power Rating=100mW, REACH SVHC=Unknown, Termination=SMD/SMT, Voltage Rating (DC)=75V, Weight=7.1E-05oz, Width=0.85mm
R5_P1 R5_P2 R5_P3 R10 R11 R13 R14 R15 R18 R24 R25: library part CMP-047-0013-1, Component Type=Standard, Created On=14-05-31, Design Item ID="10kR, 1%, 1/10W, 0603 SMD", Last Edited=14-05-31, Made By="Ashwin Sira", Owned By=AUVic, Pin Count=2, Source=AUVic_Schematic_Library_Resistors.SchLib
R6_P1 R6_P2 R6_P3: library part CMP-047-0006-1, Component Type=Standard, ComponentLink1Description=Digikey, ComponentLink1URL=https://www.digikey.ca/product-detail/en/te-connectivity-passive-product/RLP73V3AR020FTDF/A109677CT-ND/4032443, Created By="Robert Keen", Created On=2018-08-16, Design Item ID="0R02, 1%, 2W, 2512 SMD", Pin Count=2, Source=AUVic_Schematic_Library_Resistors.SchLib
R7: library part CMP-00067-2, "Res Thick Film 0603 330 Ohm 1% 0.1W(1/10W) +/-100ppm/ßC Pad SMD Automotive T/R", Case Code (Imperial)=0603, Case Code (Metric)=1608, Max Operating Temperature=155°C, Max Power Dissipation=100mW, Min Operating Temperature=-55°C, Package Quantity=10, Resistance=330R, Temperature Coefficient=100ppm/°C, Tolerance=1%, Voltage Rating=75V, Case/Package=0603, Composition="Thick Film", Contact Plating=Tin, Depth=0.85mm, Features="Automotive AEC-Q200", Height=0.45mm, Lead Free="Lead Free", Length=1.55mm, Military Standard=Not, Mount="Surface Mount", Number of Terminations=2, Packaging="Tape and Reel", Power Rating=100mW, Radiation Hardening=No, REACH SVHC=Unknown, Termination=SMD/SMT, Voltage Rating (DC)=75V, Weight=7.1E-05oz, Width=0.033inch
R8 R21 R22 R23: library part CMP-047-0024-1, Component Type=Standard, Created By="Andy Bates", Date Created=2017-05-10, Design Item ID="1kR, 1%, 1/10W , 0603, SMD", Pin Count=2, Publisher=AUVic, Source=AUVic_Schematic_Library_Resistors.SchLib
R9 R12 R28: library part CMP-00069-1, "RES SMD 110 OHM 1% 1/10W 0603", Case Code (Imperial)=0603, Case Code (Metric)=1608, Max Operating Temperature=155°C, Max Power Dissipation=100mW, Min Operating Temperature=-55°C, Package Quantity=1, Resistance=110R, Temperature Coefficient=100ppm/°C, Tolerance=1%, Voltage Rating=50V, Working Voltage=75V, Case/Package=0603, Composition="Thick Film", Depth=0.8mm, Features="Moisture Resistant", Height=0.022inch, Lead Free="Lead Free", Length=1.6mm, Military Standard=Not, Number of Terminations=2, Packaging="Tape and Reel", Power Rating=100mW, Termination=SMD/SMT, Voltage Rating (DC)=50V, Width=0.031inch
R16: library part CMP-00085-1, "RES SMD 82.5K OHM 1% 1/10W 0603", Case Code (Imperial)=0603, Case Code (Metric)=1608, Max Operating Temperature=155°C, Max Power Dissipation=100mW, Min Operating Temperature=-55°C, Package Quantity=1, Resistance=82.5kR, Temperature Coefficient=100ppm/°C, Tolerance=1%, Voltage Rating=75V, Voltage Rating (DC)=50V, Case/Package=0603, Composition="Thick Film", Contact Plating=Tin, Depth=0.8mm, Features="Automotive AEC-Q200", Height=0.022inch, Lead Free="Lead Free", Length=1.6mm, Military Standard=Not, Mount="Surface Mount", Number of Terminations=2, Packaging="Tape and Reel", Power Rating=100mW, Radiation Hardening=No, REACH SVHC="No SVHC", Termination=SMD/SMT, Width=0.031inch
R17: library part CMP-047-0021-1, Component Type=Standard, Created On=14-05-31, Design Item ID="16kR, 1%, 1/10W, 0603 SMD", Last Edited=14-05-31, Made By="Ashwin Sira", Owned By=AUVic, Pin Count=2, Source=AUVic_Schematic_Library_Resistors.SchLib
R19: library part CMP-00037-1, "Res General Purpose Thick Film 0603 10K Ohm 1% 1/10W ±100ppm/°C Molded SMD Paper T/R", Case Code (Imperial)=0603, Case Code (Metric)=1608, Max Operating Temperature=155°C, Min Operating Temperature=-55°C, Power Rating=100mW, Resistance=10kR, Temperature Coefficient=100ppm/°C, Tolerance=1%, Voltage Rating=75V, Voltage Rating (DC)=50V, Case/Package=0603, Composition="Thick Film", Depth=0.8mm, Height=0.45mm, Lead Free="Lead Free", Lead Pitch=0.3mm, Length=1.6mm, Military Standard=Not, Number of Pins=2, Packaging="Tape and Reel", REACH SVHC="No SVHC", Termination=SMD/SMT, Weight=7.1E-05oz, Width=0.8mm
R20: library part CMP-00090-2, "Res Thick Film 0603 27K Ohm 1% 0.1W(1/10W) ±100ppm/C Pad SMD Automotive T/R"
R26: library part CMP-00072-1, "VISHAY         CRCW06036K34FKEA.             SMD Chip Resistor, Thick Film, 6.34 kohm, 75 V, 0603 [1608 Metric], 100 mW,  1%, CRCW Series", Case Code (Imperial)=0603, Case Code (Metric)=1608, Max Operating Temperature=155°C, Max Power Dissipation=100mW, Min Operating Temperature=-55°C, Package Quantity=10, Resistance=6.34kR, Temperature Coefficient=100ppm/°C, Tolerance=1%, Voltage Rating=75V, Case/Package=0603, Composition="Thick Film", Contact Plating=Tin, Depth=0.85mm, Features="Automotive AEC-Q200", Height=0.45mm, Length=1.55mm, Military Standard=Not, Number of Pins=2, Number of Terminations=2, Packaging="Tape and Reel", Power Rating=100mW, Radiation Hardening=No, REACH SVHC=Unknown, Termination=SMD/SMT, Weight=7.1E-05oz, Width=0.033inch
R27: library part CMP-00071-1, "SMD Chip Resistor, 0603 [1608 Metric], 536 ohm, ERJ3EK Series, 75 V, Thick Film, 100 mW", Case Code (Imperial)=0603, Case Code (Metric)=1608, Max Operating Temperature=155°C, Max Power Dissipation=100mW, Min Operating Temperature=-55°C, Package Quantity=1, Resistance=536R, Temperature Coefficient=100ppm/°C, Tolerance=1%, Voltage Rating=75V, Voltage Rating (DC)=50V, Case/Package=0603, Composition="Thick Film", Contact Plating=Tin, Depth=0.8mm, Features="Automotive AEC-Q200", Height=0.022inch, Lead Free="Lead Free", Length=1.6mm, Military Standard=Not, Mount="Surface Mount", Number of Terminations=2, Packaging="Tape and Reel", Power Rating=100mW, REACH SVHC="No SVHC", Termination=SMD/SMT, Width=0.8mm
RESET: library part CMP-00077-1, "Black Switch Tactile N.O. SPST Round Button Gull Wing 0.05A 12VDC 100000Cycles 1.27N SMD T/R", Button Colour=Black, Contact Resistance=100mR, Current Rating=50mA, Max Operating Temperature=60°C, Max Voltage Rating (DC)=12V, Min Operating Temperature=-20°C, Operating Force=1.27N, Package Quantity=1000, Actuator Length=0.85mm, Actuator Material=Nylon,Polyamide, Actuator Type=Standard, Color=Black, Contact Material=Bronze,Brass,Silver, Contact Plating=Silver, Depth=9mm, Illumination Type=Non-Illuminated, Lead Free="Lead Free", Length=6mm, Max Current Rating=50mA, Mechanical Life=100000Cycles, Mount="Surface Mount", Orientation=Straight, Packaging="Tape and Reel", Switch Function=Off-Mom, Termination="Gull Wing", Throw Configuration=SPST, Voltage Rating (DC)=12V
SENSORS: library part CMP-005-0029-3, "Connector Header Through Hole, Right Angle 4 position 0.100\" (2.54mm)", Component Type=Standard, Created By="Miguel Manguerra", Created On=2020-05-20, Design Item ID="Header, Male, 1x4, RA, Pitch 0.1\" (2.54mm)", Pin Count=4, Source=AUVic_Schematic_Library_Connectors.SchLib